# KiCad board JumperlessV5r6.kicad_pcb (continued)
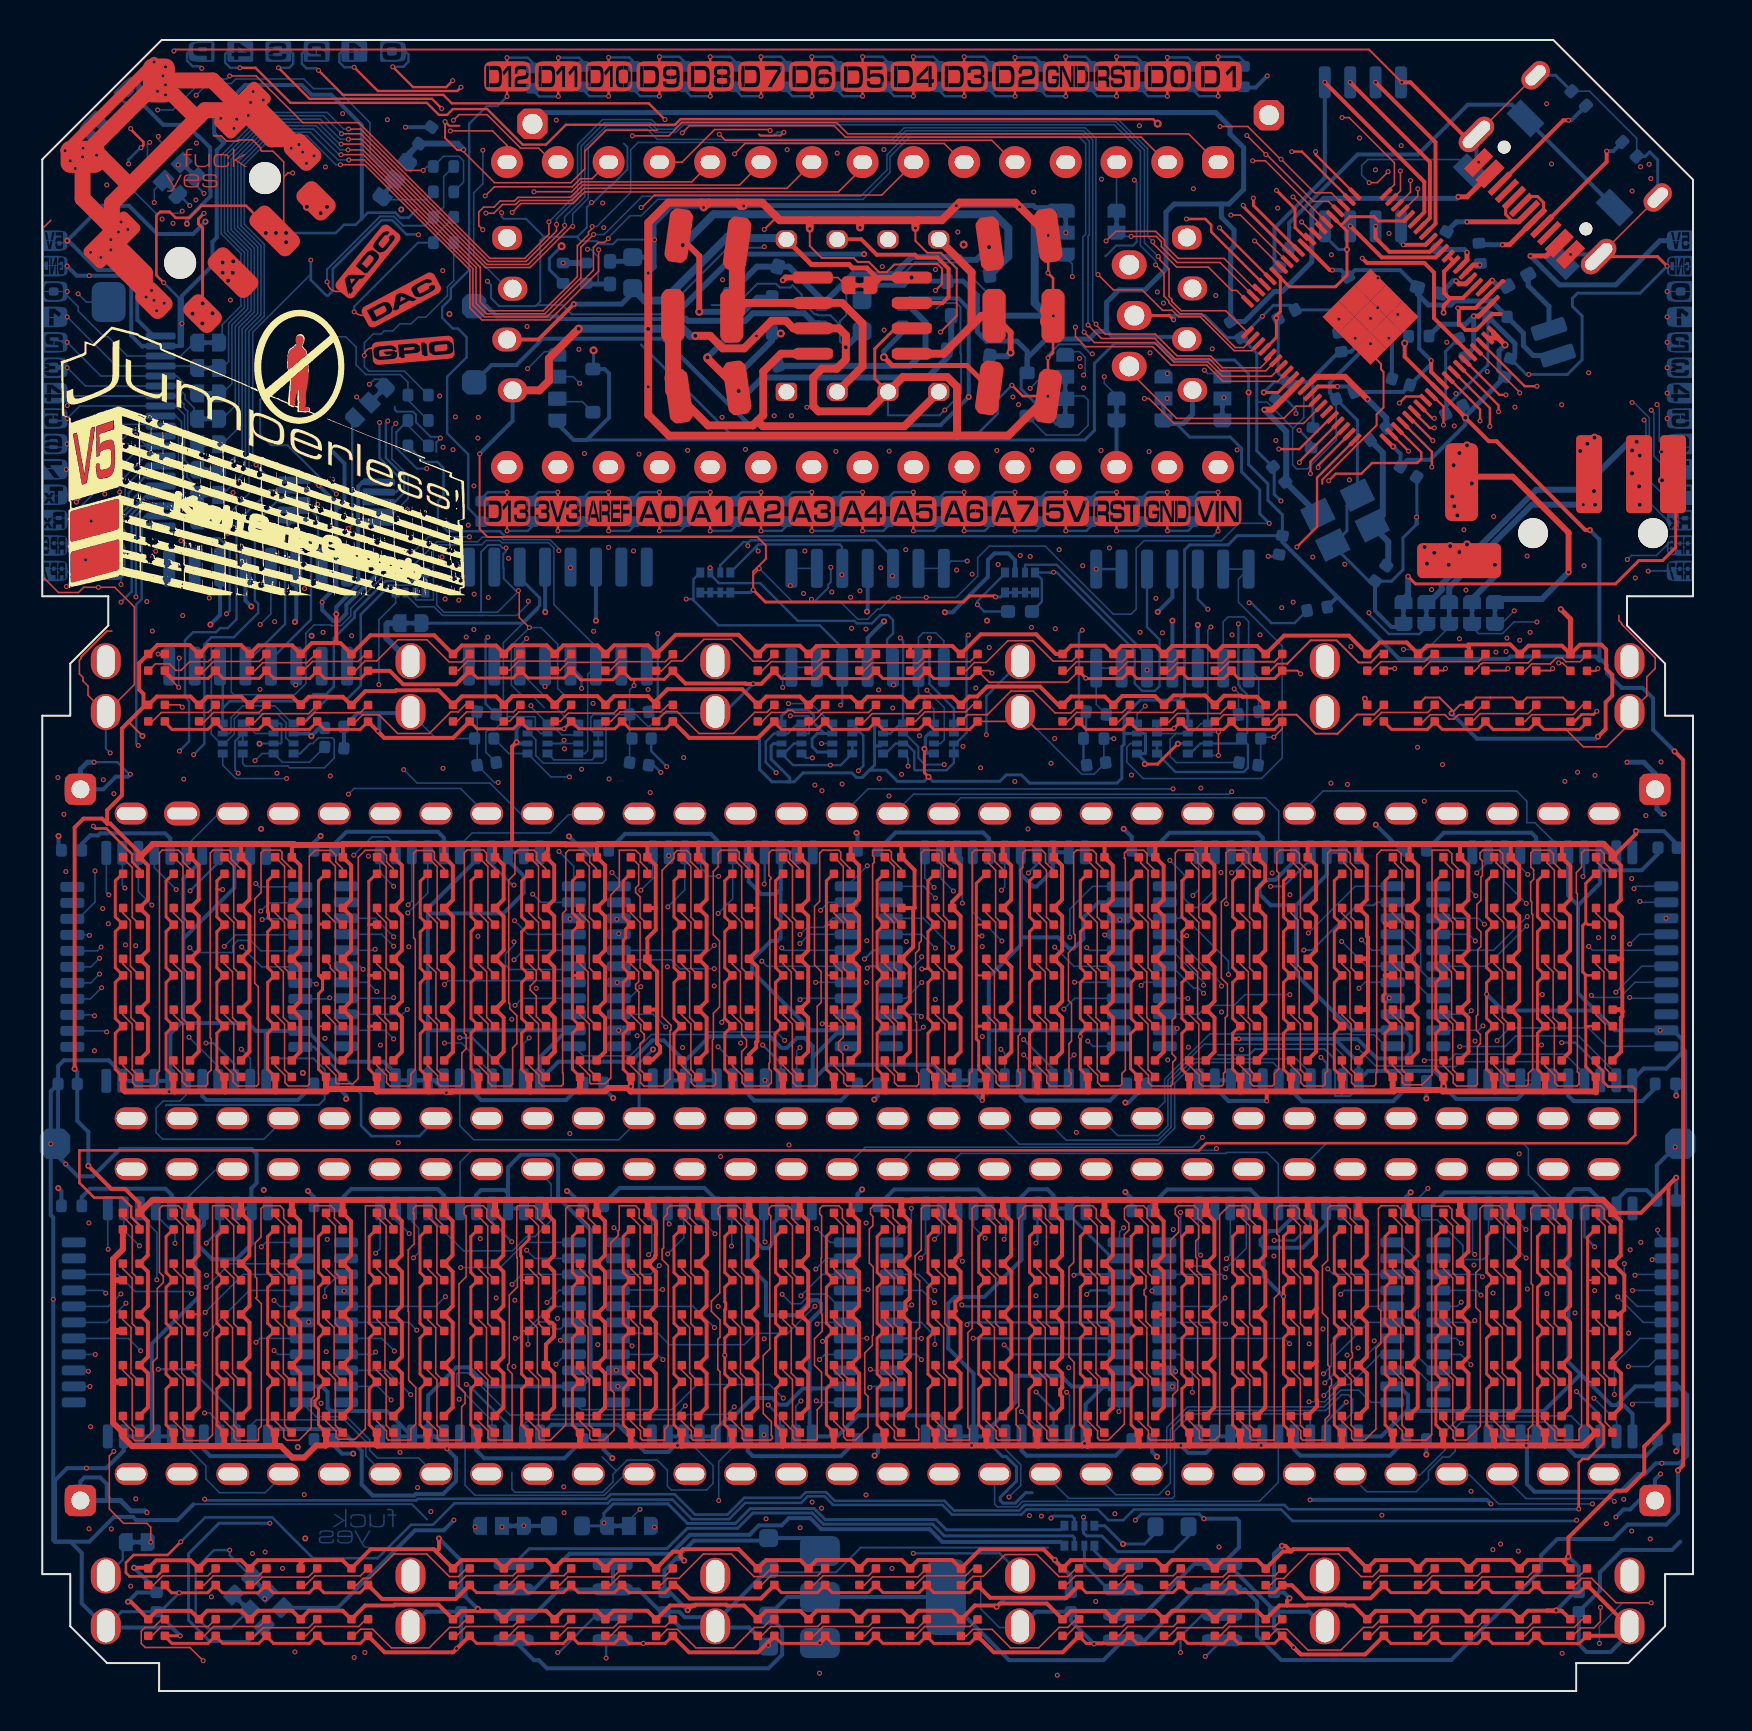
[diagram p0: board, top side]
## Placement (name value [footprint] x y rotation side) (continued)
D1572  WS2812B  [XL-1010RGBC-WS2812B]  70.48 20.96 0 top
D1573  WS2812B  [XL-1010RGBC-WS2812B]  70.48 18.42 0 top
D1574  WS2812B  [XL-1010RGBC-WS2812B]  70.48 15.88 0 top
D1575  WS2812B  [XL-1010RGBC-WS2812B]  70.47 13.34 0 top
D1581  WS2812B  [XL-1010RGBC-WS2812B]  73.03 23.5 0 top
D1582  WS2812B  [XL-1010RGBC-WS2812B]  73.03 20.96 0 top
D1583  WS2812B  [XL-1010RGBC-WS2812B]  73.03 18.42 0 top
D1584  WS2812B  [XL-1010RGBC-WS2812B]  73.03 15.88 0 top
D1585  WS2812B  [XL-1010RGBC-WS2812B]  73.01 13.34 0 top
D1591  WS2812B  [XL-1010RGBC-WS2812B]  75.56 23.5 0 top
D1592  WS2812B  [XL-1010RGBC-WS2812B]  75.56 20.96 0 top
D1593  WS2812B  [XL-1010RGBC-WS2812B]  75.56 18.42 0 top
D1594  WS2812B  [XL-1010RGBC-WS2812B]  75.56 15.88 0 top
D1595  WS2812B  [XL-1010RGBC-WS2812B]  75.56 13.34 0 top
D1601  WS2812B  [XL-1010RGBC-WS2812B]  78.11 23.5 0 top
D1602  WS2812B  [XL-1010RGBC-WS2812B]  78.11 20.96 0 top
D1603  WS2812B  [XL-1010RGBC-WS2812B]  78.11 18.42 0 top
D1604  WS2812B  [XL-1010RGBC-WS2812B]  78.11 15.88 0 top
D1605  WS2812B  [XL-1010RGBC-WS2812B]  78.11 13.34 0 top
D1611  WS2812B  [XL-1010RGBC-WS2812B]  5.71 51.44 90 top
D1612  WS2812B  [XL-1010RGBC-WS2812B]  8.25 51.44 90 top
D1613  WS2812B  [XL-1010RGBC-WS2812B]  10.79 51.44 90 top
D1614  WS2812B  [XL-1010RGBC-WS2812B]  13.33 51.44 90 top
D1615  WS2812B  [XL-1010RGBC-WS2812B]  15.88 51.42 90 top
D1616  WS2812B  [XL-1010RGBC-WS2812B]  20.96 51.44 90 top
D1617  WS2812B  [XL-1010RGBC-WS2812B]  23.5 51.44 90 top
D1618  WS2812B  [XL-1010RGBC-WS2812B]  26.04 51.44 90 top
D1619  WS2812B  [XL-1010RGBC-WS2812B]  28.57 51.44 90 top
D1620  WS2812B  [XL-1010RGBC-WS2812B]  31.11 51.42 90 top
D1621  WS2812B  [XL-1010RGBC-WS2812B]  36.2 51.44 90 top
D1622  WS2812B  [XL-1010RGBC-WS2812B]  38.73 51.44 90 top
D1623  WS2812B  [XL-1010RGBC-WS2812B]  41.28 51.44 90 top
D1624  WS2812B  [XL-1010RGBC-WS2812B]  43.81 51.44 90 top
D1625  WS2812B  [XL-1010RGBC-WS2812B]  46.36 51.44 90 top
D1626  WS2812B  [XL-1010RGBC-WS2812B]  51.44 51.44 90 top
D1627  WS2812B  [XL-1010RGBC-WS2812B]  53.98 51.44 90 top
D1628  WS2812B  [XL-1010RGBC-WS2812B]  56.52 51.44 90 top
D1629  WS2812B  [XL-1010RGBC-WS2812B]  59.06 51.44 90 top
D1630  WS2812B  [XL-1010RGBC-WS2812B]  61.59 51.44 90 top
D1631  WS2812B  [XL-1010RGBC-WS2812B]  66.67 51.44 90 top
D1632  WS2812B  [XL-1010RGBC-WS2812B]  69.22 51.44 90 top
D1633  WS2812B  [XL-1010RGBC-WS2812B]  71.76 51.44 90 top
D1634  WS2812B  [XL-1010RGBC-WS2812B]  74.3 51.44 90 top
D1635  WS2812B  [XL-1010RGBC-WS2812B]  76.84 51.42 90 top
D1636  WS2812B  [XL-1010RGBC-WS2812B]  5.71 48.9 90 top
D1637  WS2812B  [XL-1010RGBC-WS2812B]  8.25 48.9 90 top
D1638  WS2812B  [XL-1010RGBC-WS2812B]  10.79 48.9 90 top
D1639  WS2812B  [XL-1010RGBC-WS2812B]  13.33 48.9 90 top
D1640  WS2812B  [XL-1010RGBC-WS2812B]  15.88 48.88 90 top
D1641  WS2812B  [XL-1010RGBC-WS2812B]  20.96 48.9 90 top
D1642  WS2812B  [XL-1010RGBC-WS2812B]  23.5 48.9 90 top
D1643  WS2812B  [XL-1010RGBC-WS2812B]  26.04 48.9 90 top
D1644  WS2812B  [XL-1010RGBC-WS2812B]  28.57 48.9 90 top
D1645  WS2812B  [XL-1010RGBC-WS2812B]  31.11 48.9 90 top
D1646  WS2812B  [XL-1010RGBC-WS2812B]  36.2 48.9 90 top
D1647  WS2812B  [XL-1010RGBC-WS2812B]  38.73 48.9 90 top
D1648  WS2812B  [XL-1010RGBC-WS2812B]  41.28 48.9 90 top
D1649  WS2812B  [XL-1010RGBC-WS2812B]  43.81 48.9 90 top
D1650  WS2812B  [XL-1010RGBC-WS2812B]  46.36 48.9 90 top
D1651  WS2812B  [XL-1010RGBC-WS2812B]  51.44 48.9 90 top
D1652  WS2812B  [XL-1010RGBC-WS2812B]  53.98 48.9 90 top
D1653  WS2812B  [XL-1010RGBC-WS2812B]  56.52 48.9 90 top
D1654  WS2812B  [XL-1010RGBC-WS2812B]  59.06 48.9 90 top
D1655  WS2812B  [XL-1010RGBC-WS2812B]  61.59 48.88 90 top
D1656  WS2812B  [XL-1010RGBC-WS2812B]  66.67 48.9 90 top
D1657  WS2812B  [XL-1010RGBC-WS2812B]  69.22 48.9 90 top
D1658  WS2812B  [XL-1010RGBC-WS2812B]  71.76 48.9 90 top
D1659  WS2812B  [XL-1010RGBC-WS2812B]  74.3 48.9 90 top
D1660  WS2812B  [XL-1010RGBC-WS2812B]  76.84 48.88 90 top
D1711  WS2812B  [XL-1010RGBC-WS2812B]  5.71 5.72 90 top
D1712  WS2812B  [XL-1010RGBC-WS2812B]  8.25 5.72 90 top
D1713  WS2812B  [XL-1010RGBC-WS2812B]  10.79 5.72 90 top
D1714  WS2812B  [XL-1010RGBC-WS2812B]  13.33 5.72 90 top
D1715  WS2812B  [XL-1010RGBC-WS2812B]  15.88 5.72 90 top
D1716  WS2812B  [XL-1010RGBC-WS2812B]  20.96 5.72 90 top
D1717  WS2812B  [XL-1010RGBC-WS2812B]  23.5 5.72 90 top
D1718  WS2812B  [XL-1010RGBC-WS2812B]  26.04 5.72 90 top
D1719  WS2812B  [XL-1010RGBC-WS2812B]  28.57 5.72 90 top
D1720  WS2812B  [XL-1010RGBC-WS2812B]  31.11 5.72 90 top
D1721  WS2812B  [XL-1010RGBC-WS2812B]  36.2 5.72 90 top
D1722  WS2812B  [XL-1010RGBC-WS2812B]  38.73 5.72 90 top
D1723  WS2812B  [XL-1010RGBC-WS2812B]  41.28 5.72 90 top
D1724  WS2812B  [XL-1010RGBC-WS2812B]  43.81 5.72 90 top
D1725  WS2812B  [XL-1010RGBC-WS2812B]  46.36 5.7 90 top
D1726  WS2812B  [XL-1010RGBC-WS2812B]  51.44 5.72 90 top
D1727  WS2812B  [XL-1010RGBC-WS2812B]  53.98 5.72 90 top
D1728  WS2812B  [XL-1010RGBC-WS2812B]  56.52 5.72 90 top
D1729  WS2812B  [XL-1010RGBC-WS2812B]  59.06 5.72 90 top
D1730  WS2812B  [XL-1010RGBC-WS2812B]  61.59 5.7 90 top
D1731  WS2812B  [XL-1010RGBC-WS2812B]  66.67 5.72 90 top
D1732  WS2812B  [XL-1010RGBC-WS2812B]  69.22 5.72 90 top
D1733  WS2812B  [XL-1010RGBC-WS2812B]  71.76 5.72 90 top
D1734  WS2812B  [XL-1010RGBC-WS2812B]  74.3 5.72 90 top
D1735  WS2812B  [XL-1010RGBC-WS2812B]  76.84 5.72 90 top
D1736  WS2812B  [XL-1010RGBC-WS2812B]  5.71 3.18 90 top
D1737  WS2812B  [XL-1010RGBC-WS2812B]  8.25 3.18 90 top
D1738  WS2812B  [XL-1010RGBC-WS2812B]  10.79 3.18 90 top
D1739  WS2812B  [XL-1010RGBC-WS2812B]  13.33 3.18 90 top
D1740  WS2812B  [XL-1010RGBC-WS2812B]  15.88 3.18 90 top
D1741  WS2812B  [XL-1010RGBC-WS2812B]  20.96 3.18 90 top
D1742  WS2812B  [XL-1010RGBC-WS2812B]  23.5 3.18 90 top
D1743  WS2812B  [XL-1010RGBC-WS2812B]  26.04 3.18 90 top
D1744  WS2812B  [XL-1010RGBC-WS2812B]  28.57 3.18 90 top
D1745  WS2812B  [XL-1010RGBC-WS2812B]  31.11 3.16 90 top
D1746  WS2812B  [XL-1010RGBC-WS2812B]  36.2 3.18 90 top
D1747  WS2812B  [XL-1010RGBC-WS2812B]  38.73 3.18 90 top
D1748  WS2812B  [XL-1010RGBC-WS2812B]  41.28 3.18 90 top
D1749  WS2812B  [XL-1010RGBC-WS2812B]  43.81 3.18 90 top
D1750  WS2812B  [XL-1010RGBC-WS2812B]  46.36 3.16 90 top
D1751  WS2812B  [XL-1010RGBC-WS2812B]  51.44 3.18 90 top
D1752  WS2812B  [XL-1010RGBC-WS2812B]  53.98 3.18 90 top
D1753  WS2812B  [XL-1010RGBC-WS2812B]  56.52 3.18 90 top
D1754  WS2812B  [XL-1010RGBC-WS2812B]  59.06 3.18 90 top
D1755  WS2812B  [XL-1010RGBC-WS2812B]  61.59 3.18 90 top
D1756  WS2812B  [XL-1010RGBC-WS2812B]  66.67 3.18 90 top
D1757  WS2812B  [XL-1010RGBC-WS2812B]  69.22 3.18 90 top
D1758  WS2812B  [XL-1010RGBC-WS2812B]  71.76 3.18 90 top
D1759  WS2812B  [XL-1010RGBC-WS2812B]  74.3 3.18 90 top
D1760  WS2812B  [XL-1010RGBC-WS2812B]  76.84 3.18 90 top
E1  CH446Q  [LQFP44_Tight]  6.87 18.83 180 bottom
F5  CH446Q  [LQFP44_Tight]  20.48 18.83 180 bottom
G1  CH446Q  [LQFP44_Tight]  61.4 18.83 180 bottom
H1  CH446Q  [LQFP44_Tight]  75.12 18.83 180 bottom
I1  CH446Q  [LQFP44_Tight]  34.12 36.63 180 bottom
J1  Debug  [PinHeader_1x03_P2.54mm_Vertical]  54.36 66.23 180 top
J2  USB_C_Receptacle_USB2.0_16P  [USB_C_Receptacle_HRO_TYPE-C-31-M-12]  76.99 76.99 135 top
J3  ProbeJack  [STX_3452_TRRRS_Audio_Jack]  82.55 57.89 270 top
J4  Breadboard  [Breadboard_CustomClips_CorrectPins_1]  41.28 27.36 0 top
J5  FPC Connector  [FPC FC05-S20FCT]  6.67 67.75 270 bottom
J6  CH446Q  [LQFP44_Tight]  34.07 18.83 180 bottom
J7  DaisyChain_OUT  [DaisyChainHeaderLEFT]  1.24 72.51 180 bottom
J8  DaisyChain_IN  [daisychainRIGHT]  81.25 72.51 180 bottom
J9  OLED_1  [Connector_1x4_OLED_FRICTION_FIT]  57.52 68.84 0 top
J10  OLED_2  [Connector_1x4_OLED_FRICTION_FIT]  23.52 68.82 0 top
J11  TopOutMAIN  [PinHeader_1x1_Smaller]  1.91 45.09 0 top
J12  TopInMAIN  [PinHeader_1x1_Smaller]  80.65 45.09 0 top
J13  BottomInMAIN  [PinHeader_1x1_Smaller]  80.65 9.53 0 top
J14  5V  [PINHEADER-1x1_vertical]  24.51 78.36 0 top
J15  BottomOutMAIN  [PinHeader_1x1_Smaller]  1.91 9.53 0 top
J1711  Conn_01x15  [NanoProbeBottom]  41.08 59.62 0 top
J1712  Conn_01x15  [NanoProbeContactsTop]  41.08 81.38 0 top
JP1  NANO 3V3 - GPIO 27  [SolderJumper-3_Open]  25.71 65.77 90 bottom
JP2  NANO 5V - GPIO 26  [SolderJumper-3_P1.3mm_Bridged12_Pad1.0x1.5mm]  51.16 65.71 90 bottom
JP3  Rail Cutoff Top  [SolderJumper_2_Bridged_Small]  18.42 53.39 180 bottom
JP4  Rail Cutoff Bottom  [SolderJumper_2_Bridged_Small]  4.72 7.44 180 bottom
JP5  Reset 0 - Current Sense +  [SolderJumper-3_P1.3mm_Bridged12_Pad1.0x1.5mm]  22.99 8.25 180 bottom
JP6  Reset 1 - Current Sense -  [SolderJumper-3_P1.3mm_Bridged12_Pad1.0x1.5mm]  29.34 8.25 0 bottom
JP7  Reset 0  [SolderJumper_2_Bridged_Small]  53.72 64.07 90 bottom
JP8  Reset 1  [SolderJumper_2_Bridged_Small]  53.72 73.47 270 bottom
JP9  VIN - GPIO 25  [SolderJumper-3_P1.3mm_Bridged12_Pad1.0x1.5mm]  59.01 64.62 90 bottom
JP10  Nano GND Top - GPIO 24  [SolderJumper-3_P1.3mm_Bridged12_Pad1.0x1.5mm]  51.18 72.92 270 bottom
JP11  Button-Probe  [SolderJumper-3_P1.3mm_Bridged12_Pad1.0x1.5mm]  17.63 75.57 54 bottom
JP12  Nano GND Bot - GPIO 23  [SolderJumper-3_P1.3mm_Bridged12_Pad1.0x1.5mm]  56.07 64.62 90 bottom
JP13  GND  [SolderJumper_2_Bridged_Small]  68.07 53.9 90 bottom
JP14  ADC  [SolderJumper_2_Bridged_Small]  69.21 53.9 90 bottom
JP15  GP2  [SolderJumper_2_Bridged_Small]  70.36 53.9 90 bottom
JP16  BUT  [SolderJumper_2_Bridged_Small]  71.5 53.9 90 bottom
JP17  PRO  [SolderJumper_2_Bridged_Small]  72.64 53.9 90 bottom
JP18  3V BP  [SolderJumper_2_Open_Small]  25.76 64.07 270 bottom
JP19  5V BP  [SolderJumper_2_Bridged_Small]  51.16 64.05 270 bottom
JP20  SolderJumper_3_Bridged12  [SolderJumper-3_P1.3mm_Bridged12_Pad1.0x1.5mm]  16.38 64.42 225 bottom
JP21  0  [R_0402_1005Metric]  43.03 68.77 90 bottom
JP22  0  [R_0402_1005Metric]  38.96 68.77 90 bottom
JP23  GPIO_0  [SolderJumper_2_Bridged_Small]  8.29 67.42 180 bottom
JP24  GPIO_1  [SolderJumper_2_Bridged_Small]  8.29 66.15 180 bottom
JP25  GPIO_2  [SolderJumper_2_Bridged_Small]  8.29 64.88 180 bottom
JP26  GPIO_3  [SolderJumper_2_Bridged_Small]  8.29 63.61 180 bottom
JP27  GPIO_4  [SolderJumper_2_Bridged_Small]  8.29 62.34 180 bottom
JP28  GPIO_5  [SolderJumper_2_Bridged_Small]  8.29 61.07 180 bottom
JP29  GPIO_6  [SolderJumper_2_Bridged_Small]  8.29 59.8 180 bottom
JP30  GPIO_7  [SolderJumper_2_Bridged_Small]  8.29 58.53 180 bottom
JP31  Boost  [SolderJumper_2_Bridged_Small]  40.87 70.29 0 top
K1  CH446Q  [LQFP44_Tight]  47.76 18.83 180 bottom
L1  CH446Q  [LQFP44_Tight]  47.73 36.63 180 bottom
L2  3.3uH  [L_pol_2016]  75.56 67.44 108 bottom
NOREF  -  [unnamed]  12.44 81.97 0 top
NOREF#2  -  [unnamed#2]  4.8 80.45 45 top
NOREF#3  -  [unnamed#3]  14.97 81.97 0 top
NOREF#4  -  [unnamed#4]  13.09 81.97 0 top
NOREF#5  -  [unnamed#3]  2.13 77.78 225 bottom
NOREF#6  -  [unnamed#2]  18.17 81.97 180 bottom
NOREF#7  -  [7c2f54df-c89f-421a-bfa9-e2f6f4fb354d]  7.33 81.97 180 bottom
NOREF#8  -  [unnamed#4]  9.27 81.97 180 bottom
R1  2Ω  [R_0603_1608Metric]  26.16 8.25 0 bottom
R3  51100  [R_0402_1005Metric]  63.75 54.11 190 bottom
R4  1800  [R_0402_1005Metric]  24.51 80.65 90 bottom
R5  1K  [R_0402_1005Metric]  62.1 71.68 61 bottom
R8  51100  [R_0402_1005Metric]  26.04 70.89 90 bottom
R10  1800  [R_0402_1005Metric]  27.05 80.72 90 bottom
R12  1K  [R_0402_1005Metric]  66.8 62.87 216.5 bottom
R13  1600  [R_0402_1005Metric]  29.59 80.72 90 bottom
R14  1600  [R_0402_1005Metric]  32.13 80.72 90 bottom
R15  1300  [R_0402_1005Metric]  34.67 80.72 90 bottom
R16  1300  [R_0402_1005Metric]  37.21 80.72 90 bottom
R17  1100  [R_0402_1005Metric]  39.75 80.72 90 bottom
R18  1100  [R_0402_1005Metric]  42.29 80.72 90 bottom
R19  1K  [R_0402_1005Metric]  44.83 80.72 90 bottom
R20  1K  [R_0402_1005Metric]  47.37 80.72 90 bottom
R21  220  [R_0402_1005Metric]  1.46 42.04 0 bottom
R22  1K  [R_0402_1005Metric]  27.19 70.89 270 bottom
R23  909  [R_0402_1005Metric]  49.91 80.72 90 bottom
R24  820  [R_0402_1005Metric]  52.45 80.72 90 bottom
R25  5.1K  [R_0402_1005Metric]  79.38 77.09 315 bottom
R26  2K  [R_0402_1005Metric]  61.98 65.02 237 bottom
R27  2K  [R_0402_1005Metric]  63.5 62.66 265 bottom
R28  5.1K  [R_0402_1005Metric]  76.84 79.63 135 bottom
R29  820  [R_0402_1005Metric]  54.99 80.72 90 bottom
R30  820  [R_0402_1005Metric]  57.53 80.72 90 bottom
R31  681  [R_0402_1005Metric]  60.07 80.72 90 bottom
R32  174000  [R_0402_1005Metric]  20.07 76.23 180 bottom
R33  499000  [R_0402_1005Metric]  20.07 74.96 180 bottom
R34  84500  [R_0402_1005Metric]  20.07 73.69 180 bottom
R35  51100  [R_0402_1005Metric]  20.07 72.42 180 bottom
R36  34000  [R_0402_1005Metric]  18.8 64.8 0 bottom
R37  24000  [R_0402_1005Metric]  18.8 63.53 0 bottom
R38  18000  [R_0402_1005Metric]  18.8 62.26 0 bottom
R39  2200  [R_0402_1005Metric]  21.97 58.98 90 bottom
R40  2200  [R_0402_1005Metric]  24.51 58.98 90 bottom
R41  2400  [R_0402_1005Metric]  27.05 58.98 90 bottom
R42  2700  [R_0402_1005Metric]  29.59 58.98 90 bottom
R43  3000  [R_0402_1005Metric]  32.13 58.98 90 bottom
R44  3300  [R_0402_1005Metric]  34.67 58.98 90 bottom
R45  3600  [R_0402_1005Metric]  37.21 58.98 90 bottom
R46  4220  [R_0402_1005Metric]  39.75 58.98 90 bottom
R47  4810  [R_0402_1005Metric]  42.29 58.98 90 bottom
R48  5600  [R_0402_1005Metric]  44.83 58.98 90 bottom
R49  6650  [R_0402_1005Metric]  47.37 58.98 90 bottom
R50  7500  [R_0402_1005Metric]  49.91 58.98 90 bottom
R51  9310  [R_0402_1005Metric]  52.45 58.98 90 bottom
R52  11000  [R_0402_1005Metric]  54.99 58.98 90 bottom
R53  14300  [R_0402_1005Metric]  57.53 58.98 90 bottom
R54  10K  [R_0402_1005Metric]  19.15 77.78 54 bottom
R55  220  [R_0402_1005Metric]  14.1 42.04 0 bottom
R56  220  [R_0402_1005Metric]  54.99 42.04 0 bottom
R57  2Ω  [R_0603_1608Metric]  56.5 8.22 0 bottom
R58  220  [R_0402_1005Metric]  68.71 42.04 0 bottom
R59  220  [R_0402_1005Metric]  1.46 24.26 0 bottom
R60  220  [R_0402_1005Metric]  14.1 24.26 0 bottom
R61  220  [R_0402_1005Metric]  54.99 24 0 bottom
R62  220  [R_0402_1005Metric]  68.71 24 0 bottom
R63  220  [R_0402_1005Metric]  27.81 42.04 0 bottom
R64  220  [R_0402_1005Metric]  27.56 24.26 0 bottom
R65  220  [R_0402_1005Metric]  41.28 24.26 0 bottom
R66  220  [R_0402_1005Metric]  41.28 42.04 0 bottom
R67  220  [R_0402_1005Metric]  14.1 30.35 0 bottom
R68  220  [R_0402_1005Metric]  27.56 30.4 0 bottom
R69  220  [R_0402_1005Metric]  68.71 30.48 0 bottom
R70  220  [R_0402_1005Metric]  81.17 30.35 0 bottom
R71  220  [R_0402_1005Metric]  14.1 12.57 0 bottom
R72  220  [R_0402_1005Metric]  27.56 12.57 0 bottom
R73  220  [R_0402_1005Metric]  68.71 12.57 0 bottom
R74  220  [R_0402_1005Metric]  81.28 12.57 0 bottom
R75  220  [R_0402_1005Metric]  41.28 30.35 0 bottom
R76  220  [R_0402_1005Metric]  41.28 12.57 0 bottom
R77  220  [R_0402_1005Metric]  54.99 12.57 0 bottom
R78  220  [R_0402_1005Metric]  54.74 30.35 0 bottom
R79  33  [R_0402_1005Metric]  68.83 67.74 1 bottom
R80  0R  [R_0402_1005Metric_Pad0.72x0.64mm_HandSolder]  69.34 70.03 345 bottom
R81  7500  [R_0402_1005Metric]  60.33 48.9 188 bottom
R82  2K  [R_0402_1005Metric]  52.58 47.62 0 bottom
R85  22R  [R_0402_1005Metric]  69.98 72.52 241 bottom
R86  22R  [R_0402_1005Metric]  71.88 71.88 274 bottom
R87  1K  [R_0402_1005Metric]  52.7 48.9 172 bottom
R88  0R  [R_0402_1005Metric_Pad0.72x0.64mm_HandSolder]  48.9 53.98 180 bottom
R90  0R  [R_0402_1005Metric_Pad0.72x0.64mm_HandSolder]  73.79 70.54 209 bottom
REF**  -  [JumperlessBackLogo]  72.29 50.22 180 bottom
REF**#2  -  [Tiny UKCA]  71.28 4.92 180 bottom
RN2  470R  [R_Array_Convex_4x0402]  51.86 7.76 90 bottom
RN4  47K  [R_Array_Convex_4x0402]  24.76 47.62 180 bottom
RN6  4.7K  [R_Array_Convex_4x0402]  57.79 47.62 180 bottom
RN7  8.2K  [R_Array_Convex_4x0402]  55.25 47.62 180 bottom
RN8  47K  [R_Array_Convex_4x0402]  12.07 47.62 180 bottom
RN10  56K  [R_Array_Convex_4x0402]  9.53 47.62 180 bottom
RN12  8.2K  [R_Array_Convex_4x0402]  18.42 55.42 90 bottom
RN13  8.2K  [R_Array_Convex_4x0402]  40.01 47.62 180 bottom
RN14  4.7K  [R_Array_Convex_4x0402]  37.47 47.62 180 bottom
RN15  1M  [R_Array_Convex_4x0402]  48.9 55.42 90 bottom
RN16  8.2K  [R_Array_Convex_4x0402]  45.09 47.62 180 bottom
RN17  4.7K  [R_Array_Convex_4x0402]  42.55 47.62 180 bottom
RN18  1M  [R_Array_Convex_4x0402]  33.66 55.42 90 bottom
RN19  56K  [R_Array_Convex_4x0402]  27.31 47.62 180 bottom
SW1  BOOT  [SW_SPST_TL3342]  75.06 75.06 315 bottom
SW3  RotaryEncoder_Switch  [SIQ-02FVS3_Rotary_Encoder]  5.83 76.71 45 top
TP5  +9V  [TestPoint_D0.75mm]  21.6 69.24 180 bottom
TP6  -9V  [TestPoint_D0.75mm]  21.6 65.43 180 bottom
TP16  GPIO  [padGPIO75]  18.55 67.02 5 top
TP18  ADC  [padADC75]  15.11 69.98 51 top
TP19  GND  [TestPoint_Pad_D1.0mm]  81.92 27.36 0 bottom
TP20  LED OUT  [PINHEADER-1x1_vertical]  61.34 78.79 0 top
TP22  TestPoint  [backMaskWindowsNew]  41 58.91 0 bottom
TP23  TestPoint  [backMaskWindowsNew]  41.02 80.65 0 bottom
TP24  DAC  [padDAC75]  17.93 69.57 28 top
TP25  GND  [TestPoint_Pad_D1.0mm]  0.64 27.36 0 bottom
TP28  -  [Logo]  12.82 66.14 0 top
U1  LT1054  [DIP8]  41.02 68.77 90 top
U2  NCP1117-3.3_SOT223  [SOT-223-3_TabPin2]  42.04 4.7 0 bottom
U3  INA219  [SOIC8]  56.52 4.44 180 bottom
U4  INA219  [SOIC8]  26.04 4.44 180 bottom
U5  RP2350_80QFN  [RP2350-QFN-80-1EP_10x10_P0.4mm_EP3.4x3.4mm_ThermalVias]  66.42 68.71 315 top
U6  ~  [SolderJumper-Double]  6.96 76.42 135 bottom
U7  LM324  [SOIC-14_3.9x8.7mm_P1.27mm]  56.52 53.62 270 bottom
U8  W25Q128JVS  [SOIC-8_5.23x5.23mm_P1.27mm]  66.04 76.84 270 bottom
U9  LM2660MX  [SOIC8]  41.02 68.77 0 top
U10  L272D  [SOIC-16_3.9x9.9mm_P1.27mm]  10.79 53.72 270 bottom
U11  LM324  [SOIC-14_3.9x8.7mm_P1.27mm]  41.28 53.66 270 bottom
U12  ~  [SolderJumper-Double]  10.33 4.04 315 bottom
U1806  MCP4728  [MSOP-10_3x3mm_P0.5mm]  14.71 59.49 178.8 bottom
U1807  L272D  [SOIC-16_3.9x9.9mm_P1.27mm]  25.78 53.72 270 bottom
Y1  ABM8-272-T3  [Crystal_SMD_3225-4Pin_3.2x2.5mm]  65.15 58.55 26 bottom

## Library data of the parts
A1 = -: Datasheet: http://www.mouser.com/pdfdocs/Gravitech_Arduino_Nano3_0.pdf; ki_fp_filters: Arduino*Nano*
A2 B1 C26 E1 F5 G1 H1 I1 K1 L1 = -: LCSC: C109471; LCSC Part #: C109471
C1 C4 C6 = -: LCSC: C6120014; ki_fp_filters: CP_*
C2 = -: Datasheet: T521T106M025ATE100; LCSC Part #: C2918502; LCSC: C2918502; ki_fp_filters: CP_*
C3 C5 = -: Datasheet: T521T106M025ATE100; LCSC: C2918502; LCSC Part #: C2918502; ki_fp_filters: CP_*
C7-C11 C13-C16 C18-C25 C27-C46 = -: ki_fp_filters: C_*
C1806 C1807 = -: Datasheet: >10V; ki_fp_filters: C_*
D2 D3 = -: Datasheet: http://www.vishay.com/docs/88525/1n5817.pdf; Description: 30V 220mV@10mA 800mA SC-76(SOD-323) Schottky Diodes ROHS; LCSC: C150183; LCSC Part #: C150183; ki_fp_filters: D*DO?41*
D4 D6 D7 D67 = -: ki_fp_filters: D*DO?41*
D62 D65 D68 = -: Datasheet: http://www.vishay.com/docs/88525/1n5817.pdf; Description: 30V 220mV@10mA 800mA SC-76(SOD-323) Schottky Diodes ROHS; LCSC Part #: C150183; LCSC: C150183; ki_fp_filters: D*DO?41*
D1011-D1015 D1021-D1025 D1031-D1035 D1041-D1045 D1051-D1055 D1061-D1065 D1071-D1075 D1081-D1085 D1091-D1095 D1101-D1105 D1111-D1115 D1121-D1125 D1131-D1135 D1141-D1145 D1151-D1155 D1161-D1165 D1171-D1175 D1181-D1185 D1191-D1195 D1201-D1205 D1211-D1215 D1221-D1225 D1231-D1235 D1241-D1245 D1251-D1255 D1261-D1265 D1271-D1275 D1281-D1285 D1291-D1295 D1301-D1305 D1311-D1315 D1321-D1325 D1331-D1335 D1341-D1345 D1351-D1355 D1361-D1365 D1371-D1375 D1381-D1385 D1391-D1395 D1401-D1405 D1411-D1415 D1421-D1425 D1431-D1435 D1441-D1445 D1451-D1455 D1461-D1465 D1471-D1475 D1481-D1485 D1491-D1495 D1501-D1505 D1511-D1515 D1521-D1525 D1531-D1535 D1541-D1545 D1551-D1555 D1561-D1565 D1571-D1575 D1581-D1585 D1591-D1595 D1601-D1605 D1611-D1660 D1711-D1760 = -: Datasheet: https://cdn-shop.adafruit.com/datasheets/WS2812B.pdf; LCSC: C5349953
J1 J9 J10 J14 = -: ki_fp_filters: Connector*:*_1x??_*
J2 = -: Datasheet: https://www.usb.org/sites/default/files/documents/usb_type-c.zip; Description: USB 2.0-only 16P Type-C Receptacle connector; ki_fp_filters: USB*C*Receptacle*
J3 = -: Description: Audio Jack, 5 Poles (TRRRS)
J5 = -: Description: Generic connector, single row, 01x20, script generated; LCSC Part #: C2998828; ki_fp_filters: Connector*:*_1x??_*
J7 J8 = -: Description: Generic connector, single row, 01x14, script generated; ki_fp_filters: Connector*:*_1x??_*
J11-J13 J15 = -: Description: Generic connector, single row, 01x01, script generated (kicad-library-utils/schlib/autogen/connector/); ki_fp_filters: Connector*:*_1x??_*
J1711 J1712 = -: Description: Generic connector, single row, 01x15, script generated (kicad-library-utils/schlib/autogen/connector/); ki_fp_filters: Connector*:*_1x??_*
JP1 = -: Description: Solder Jumper, 3-pole, open; ki_fp_filters: SolderJumper*Open*
JP2 JP5 JP6 JP9-JP12 JP20 = -: Description: 3-pole Solder Jumper, pins 1+2 closed/bridged; ki_fp_filters: SolderJumper*Bridged12*
JP3 JP4 JP13-JP17 JP19 = -: ki_fp_filters: SolderJumper*Bridged*
JP7 JP8 JP23-JP31 = -: Description: Solder Jumper, 2-pole, closed/bridged; ki_fp_filters: SolderJumper*Bridged*
JP18 = -: Description: Solder Jumper, 2-pole, open; ki_fp_filters: SolderJumper*Open*
JP21 JP22 = -: Description: Resistor, small US symbol; ki_fp_filters: R_*
L2 = -: Datasheet: DFE252012F-3R3M=P2; Description: AFE201612S3R3MBT; LCSC: C41347751; LCSC Part #: C41347751; ki_fp_filters: Choke_* *Coil* Inductor_* L_*
R1 R57 = -: LCSC: C445777; LCSC Part #: C445777; ki_fp_filters: R_*
R3 R8 = -: Datasheet: +-0.1%; LCSC: C852827; LCSC Part #: C852827; ki_fp_filters: R_*
R4 R10 = -: Datasheet: +-0.1%; Description: C852621; LCSC: C728567; LCSC Part #: C728567; ki_fp_filters: R_*
R5 R12 R19 R20 R87 = -: Datasheet: +-0.1%; Description: C852624; LCSC: C852624; LCSC Part #: C852624; ki_fp_filters: R_*
R13 R14 = -: Datasheet: +-0.1%; Description: C852616; LCSC: C852616; LCSC Part #: C852616; ki_fp_filters: R_*
R15 R16 = -: Datasheet: +-0.1%; Description: C852609; LCSC: C852609; LCSC Part #: C852609; ki_fp_filters: R_*
R17 R18 = -: Datasheet: +-0.1%; Description: C852602; LCSC: C852602; LCSC Part #: C852602; ki_fp_filters: R_*
R21 R55 R56 R58-R78 = -: LCSC: C25091; LCSC Part #: C25091; ki_fp_filters: R_*
R22 R54 = -: Datasheet: +-0.1%; Description: C852624; LCSC: C190095; LCSC Part #: C190095; ki_fp_filters: R_*
R23 = -: Datasheet: +-0.1%; Description: C852948; LCSC: C852948; LCSC Part #: C852948; ki_fp_filters: R_*
R24 R29 R30 = -: Datasheet: +-0.1%; Description: C852926; LCSC: C852926; LCSC Part #: C852926; ki_fp_filters: R_*
R25 R28 = -: Datasheet: +-0.1%; LCSC: C853340; LCSC Part #: C853340; ki_fp_filters: R_*
R26 R27 R82 = -: Datasheet: +-0.1%; Description: C852711; LCSC: C852711; LCSC Part #: C852711; ki_fp_filters: R_*
R31 = -: Datasheet: +-0.1%; Description: C852887; LCSC Part #: C852887; LCSC: C852887; ki_fp_filters: R_*
R32 = -: Datasheet: +-0.1%; Description: C852827; LCSC: C852565; LCSC Part #: C852565; ki_fp_filters: R_*
R33 = -: Datasheet: +-0.1%; Description: C851813; LCSC: C851813; LCSC Part #: C851813; ki_fp_filters: R_*
R34 = -: Datasheet: +-0.1%; Description: C852932; LCSC: C852932; LCSC Part #: C852932; ki_fp_filters: R_*
R35 = -: Datasheet: +-0.1%; Description: C852827; LCSC: C852827; LCSC Part #: C852827; ki_fp_filters: R_*
R36 = -: Datasheet: +-0.1%; Description: C852733; LCSC: C852733; LCSC Part #: C852733; ki_fp_filters: R_*
R37 = -: Datasheet: +-0.1%; Description: C852665; LCSC: C852665; LCSC Part #: C852665; ki_fp_filters: R_*
R38 = -: Datasheet: +-0.1%; Description: C852579; LCSC: C852579; LCSC Part #: C852579; ki_fp_filters: R_*
R39 R40 = -: Datasheet: +-0.1%; Description: C705646; LCSC: C705646; LCSC Part #: C705646; ki_fp_filters: R_*
R41 = -: Datasheet: +-0.1%; Description: C852701; LCSC: C852701; LCSC Part #: C852701; ki_fp_filters: R_*
R42 = -: Datasheet: +-0.1%; Description: C852701; LCSC: C852706; LCSC Part #: C852706; ki_fp_filters: R_*
R43 = -: Datasheet: +-0.1%; Description: C281777; LCSC: C281777; LCSC Part #: C281777; ki_fp_filters: R_*
R44 = -: Datasheet: +-0.1%; Description: C850993; LCSC: C853256; LCSC Part #: C853256; ki_fp_filters: R_*
R45 = -: Datasheet: +-0.1%; Description: C852769; LCSC: C852769; LCSC Part #: C852769; ki_fp_filters: R_*
R46 = -: Datasheet: +-0.1%; Description: C852814; LCSC: C852814; LCSC Part #: C852814; ki_fp_filters: R_*
R47 = -: Datasheet: +-0.1%; Description: C852820; LCSC: C852820; LCSC Part #: C852820; ki_fp_filters: R_*
R48 = -: Datasheet: +-0.1%; Description: C852861; LCSC: C852861; LCSC Part #: C852861; ki_fp_filters: R_*
R49 = -: Datasheet: +-0.1%; Description: C728562; LCSC: C728562; LCSC Part #: C728562; ki_fp_filters: R_*
R50 R81 = -: Datasheet: +-0.1%; Description: C851118; LCSC: C728565; LCSC Part #: C728565; ki_fp_filters: R_*
R51 = -: Datasheet: +-0.1%; Description: C852969; LCSC: C852969; LCSC Part #: C852969; ki_fp_filters: R_*
R52 = -: Datasheet: +-0.1%; Description: C705064; LCSC: C705064; LCSC Part #: C705064; ki_fp_filters: R_*
R53 = -: Datasheet: +-0.1%; Description: C705065; LCSC: C705065; LCSC Part #: C705065; ki_fp_filters: R_*
R79 = -: LCSC: C427231; LCSC Part #: C427231; ki_fp_filters: R_*
R80 R88 R90 = -: Description: Resistor, small US symbol; LCSC: C131359; LCSC Part #: C131359; ki_fp_filters: R_*
R85 R86 = -: LCSC: C852651; LCSC Part #: C852651; ki_fp_filters: R_*
RN2 = -: Description: 4 resistor network, parallel topology, split; ki_fp_filters: DIP* SOIC* R*Array*Concave* R*Array*Convex* MSOP*
RN4 RN8 = -: Datasheet: +-1%; Description: 4 resistor network, parallel topology, split; LCSC: C2769517; LCSC Part #: C2769517; ki_fp_filters: DIP* SOIC* R*Array*Concave* R*Array*Convex*
RN6 RN14 RN17 = -: Datasheet: +-1%; Description: 4 resistor network, parallel topology, split; LCSC: C620895; LCSC Part #: C620895; ki_fp_filters: DIP* SOIC* R*Array*Concave* R*Array*Convex*
RN7 RN12 RN13 RN16 = -: Datasheet: +-1%; Description: 4 resistor network, parallel topology, split; LCSC: C728757; LCSC Part #: C728757; ki_fp_filters: DIP* SOIC* R*Array*Concave* R*Array*Convex*
RN10 RN19 = -: Datasheet: +-1%; Description: 4 resistor network, parallel topology, split; LCSC: C728748; LCSC Part #: C728748; ki_fp_filters: DIP* SOIC* R*Array*Concave* R*Array*Convex*
RN15 RN18 = -: Datasheet: +-1%; Description: 4 resistor network, parallel topology, split; LCSC: C425315; LCSC Part #: C425315; ki_fp_filters: DIP* SOIC* R*Array*Concave* R*Array*Convex*
SW1 = -: LCSC: C22459525; LCSC Part #: C22459525
SW3 = -: Description: Rotary encoder, dual channel, incremental quadrate outputs, with switch; LCSC: C29780879; LCSC Part #: C29780879
TP5 TP6 TP19 TP20 TP22 TP23 TP25 = -: ki_fp_filters: Pin* Test*
TP16 TP18 TP24 = -: Description: test point; ki_fp_filters: Pin* Test*
TP28 = -: Description: Generic connector, single row, 01x04, script generated; ki_fp_filters: Connector*:*_1x??_*
U1 = -: Datasheet: https://www.analog.com/media/en/technical-documentation/data-sheets/1054lfh.pdf; LCSC: C1355744; LCSC Part #: C1355744; ki_fp_filters: DIP*W7.62mm* SOIC*3.9x4.9mm*
U2 = -: Datasheet: http://www.onsemi.com/pub_link/Collateral/NCP1117-D.PDF; LCSC: C22462596; LCSC Part #: C22462596; ki_fp_filters: SOT?223*TabPin2*
U3 U4 = -: Datasheet: http://www.ti.com/lit/ds/symlink/ina219.pdf; LCSC: C138706; LCSC Part #: C138706; ki_fp_filters: SOIC*3.9x4.9mm*P1.27mm*
U7 U11 = -: Datasheet: http://www.ti.com/lit/ds/symlink/lm2902-n.pdf; LCSC: C71035; LCSC Part #: C71035; ki_fp_filters: SOIC*3.9x8.7mm*P1.27mm* DIP*W7.62mm* TSSOP*4.4x5mm*P0.65mm* SSOP*5.3x6.2mm*P0.65mm* MSOP*3x3mm*P0.5mm*
U8 = -: LCSC: C97521; LCSC Part #: C97521; ki_fp_filters: SOIC*5.23x5.23mm*P1.27mm*
U9 = -: Datasheet: http://ww1.microchip.com/downloads/en/DeviceDoc/21469a.pdf; Description: Charge Pump DC-to-DC Converter, 1.5 - 15V, 100mA, SOIC-8; LCSC: C183083; LCSC Part #: C183083; ki_fp_filters: SOIC*3.9x4.9mm*P1.27mm*
U10 U1807 = -: Datasheet: www.st.com/resource/en/datasheet/l272.pdf; LCSC: C443843; LCSC Part #: C443843; ki_fp_filters: *SOIC*3.9x9.9mm*P1.27mm*
U1806 = -: Datasheet: http://ww1.microchip.com/downloads/en/DeviceDoc/22187E.pdf; Description: 12-bit digital to analog converter, quad output, 2.048V internal reference, integrated EEPROM, I2C interface; LCSC: C108207; LCSC Part #: C108207; ki_fp_filters: *SOP*3x3mm*P0.5mm*
Y1 = -: LCSC: C20625731; LCSC Part #: C20625731; ki_fp_filters: Crystal*

## Footprints (pads in the part's own frame, mm; a bottom-side part is the same pattern mirrored in y, then rotated)
7c2f54df-c89f-421a-bfa9-e2f6f4fb354d
  custom 0.046x0.046 smd: 3(0,0)
1210CAP
  custom 1.118x1.118 smd: 1(-1.461,0) 2(1.489,0)
Arduino_Nano
  rrect 1.6x1.6 hole 0.7x0.95: 1(0,0)
  oval 1.6x1.6 hole 0.7x0.95: 2(0,-2.54) 3(0,-5.08) 4(0,-7.62) 5(0,-10.16) 6(0,-12.7) 7(0,-15.24) 8(0,-17.78) 9(0,-20.32) 10(0,-22.86) 11(0,-25.4) 12(0,-27.94) 13(0,-30.48) 14(0,-33.02) 15(0,-35.56) 16(15.24,-35.56) 17(15.24,-33.02) 18(15.24,-30.48) 19(15.24,-27.94) 20(15.24,-25.4) 21(15.24,-22.86) 22(15.24,-20.32) 23(15.24,-17.78) 24(15.24,-15.24) 25(15.24,-12.7) 26(15.24,-10.16) 27(15.24,-7.62) 28(15.24,-5.08) 29(15.24,-2.54) 30(15.24,0)
Breadboard_CustomClips_CorrectPins_1
  oval 1.65x1.1 hole 1.45x0.65: 1(-36.83,16.51) 1(-36.83,1.27) 2(-34.29,1.27) 3(-31.75,16.51) 3(-31.75,1.27) 4(-29.21,16.51) 4(-29.21,1.27) 5(-26.67,16.51) 5(-26.67,1.27) 6(-24.13,16.51) 6(-24.13,1.27) 7(-21.59,16.51) 7(-21.59,1.27) 8(-19.05,16.51) 8(-19.05,1.27) 9(-16.51,16.51) 9(-16.51,1.27) 10(-13.97,16.51) 10(-13.97,1.27) 11(-11.43,16.51) 11(-11.43,1.27) 12(-8.89,16.51) 12(-8.89,1.27) 13(-6.35,16.51) 13(-6.35,1.27) 14(-3.81,16.51) 14(-3.81,1.27) 15(-1.27,16.51) 15(-1.27,1.27) 16(1.27,16.51) 16(1.27,1.27) 17(3.81,16.51) 17(3.81,1.27) 18(6.35,16.51) 18(6.35,1.27) 19(8.89,16.51) 19(8.89,1.27) 20(11.43,16.51) 20(11.43,1.27) 21(13.97,16.51) 21(13.97,1.27) 22(16.51,16.51) 22(16.51,1.27) 23(19.05,16.51) 23(19.05,1.27) 24(21.59,16.51) 24(21.59,1.27) 25(24.13,16.51) 25(24.13,1.27) 26(26.67,16.51) 26(26.67,1.27) 27(29.21,16.51) 27(29.21,1.27) 28(31.75,16.51) 28(31.75,1.27) 29(34.29,16.51) 29(34.29,1.27) 30(36.83,16.51) 30(36.83,1.27) 31(-36.83,-1.27) 31(-36.83,-16.51) 32(-34.29,-1.27) 32(-34.29,-16.51) 33(-31.75,-1.27) 33(-31.75,-16.51) 34(-29.21,-1.27) 34(-29.21,-16.51) 35(-26.67,-1.27) 35(-26.67,-16.51) 36(-24.13,-1.27) 36(-24.13,-16.51) 37(-21.59,-1.27) 37(-21.59,-16.51) 38(-19.05,-1.27) 38(-19.05,-16.51) 39(-16.51,-1.27) 39(-16.51,-16.51) 40(-13.97,-1.27) 40(-13.97,-16.51) 41(-11.43,-1.27) 41(-11.43,-16.51) 42(-8.89,-1.27) 42(-8.89,-16.51) 43(-6.35,-1.27) 43(-6.35,-16.51) 44(-3.81,-1.27) 44(-3.81,-16.51) 45(-1.27,-1.27) 45(-1.27,-16.51) 46(1.27,-1.27) 46(1.27,-16.51) 47(3.81,-1.27) 47(3.81,-16.51) 48(6.35,-1.27) 48(6.35,-16.51) 49(8.89,-1.27) 49(8.89,-16.51) 50(11.43,-1.27) 50(11.43,-16.51) 51(13.97,-1.27) 51(13.97,-16.51) 52(16.51,-1.27) 52(16.51,-16.51) 53(19.05,-1.27) 53(19.05,-16.51) 54(21.59,-1.27) 54(21.59,-16.51) 55(24.13,-1.27) 55(24.13,-16.51) 56(26.67,-1.27) 56(26.67,-16.51) 57(29.21,-1.27) 57(29.21,-16.51) 58(31.75,-1.27) 58(31.75,-16.51) 59(34.29,-1.27) 59(34.29,-16.51) 60(36.83,-1.27) 60(36.83,-16.51)
  oval 1.8x1.2 hole 1.5x0.6: 2(-34.29,16.51)
  oval 1.5x1.8 hole 0.9x1.6: 61(-38.1,24.13) 61(-22.86,24.13) 61(-7.62,24.13) 61(7.62,24.13) 61(22.86,24.13) 61(38.1,24.13) 62(-38.1,21.59) 62(-22.86,21.59) 62(-7.62,21.59) 62(7.62,21.59) 62(22.86,21.59) 62(38.1,21.59) 63(-38.1,-21.59) 63(-22.86,-21.59) 63(-7.62,-21.603) 63(7.62,-21.59) 63(22.86,-21.59) 63(38.1,-21.59) 64(-38.1,-24.13) 64(-22.86,-24.13) 64(-7.62,-24.13) 64(7.62,-24.13) 64(22.86,-24.13) 64(38.1,-24.13)
